# KiCad board sr99-stm32-hotswap.kicad_pcb (continued)
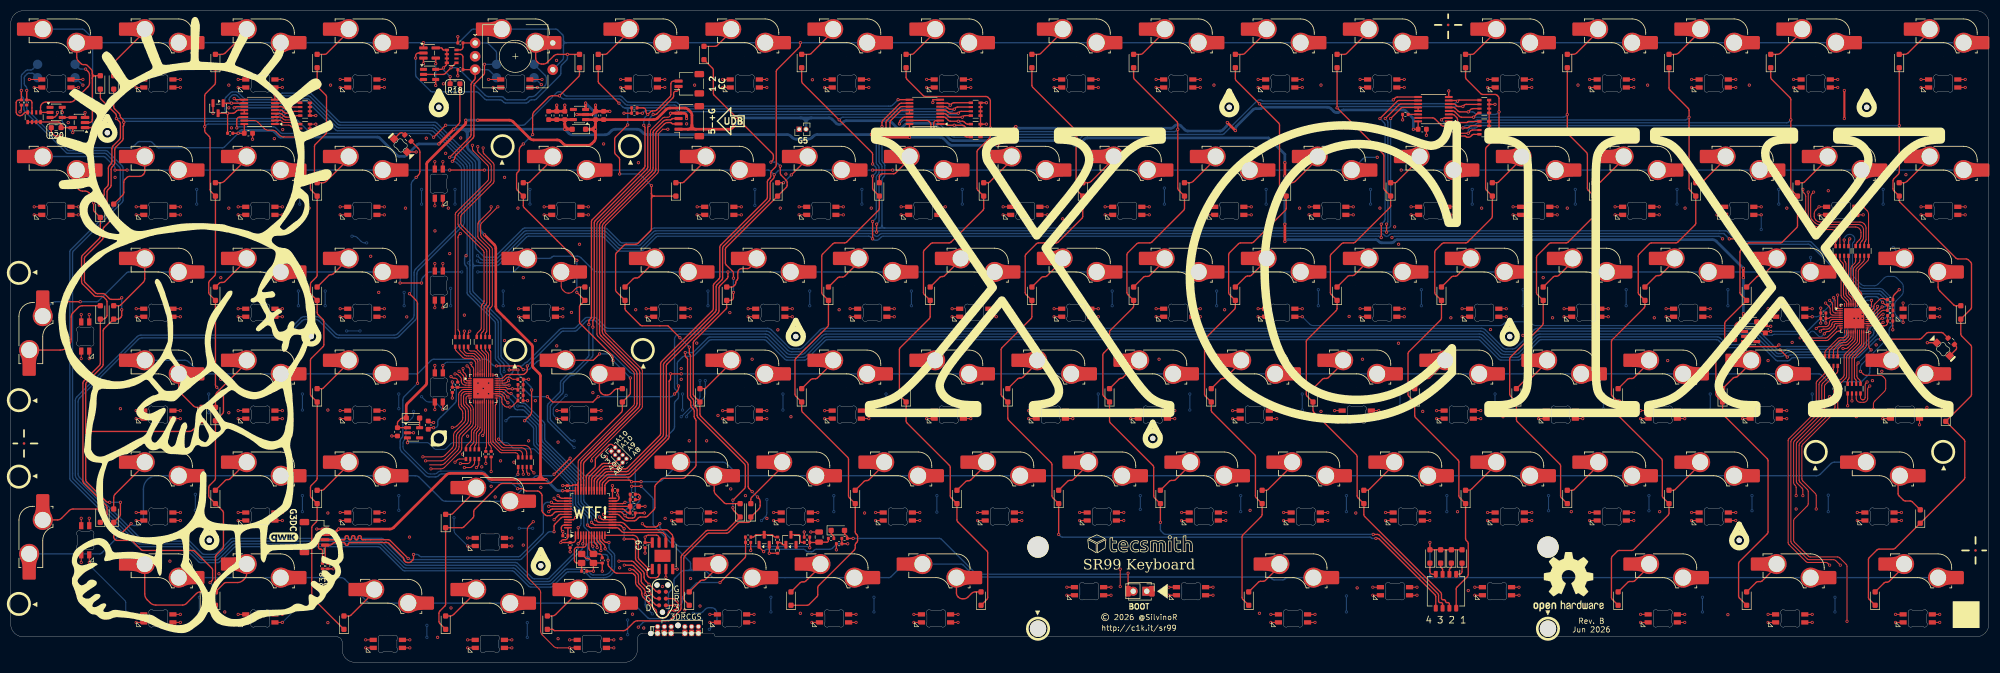
[diagram p0: board, top side]
## Placement (name value [footprint] x y rotation side) (continued)
W92  Space  [RGB-3528]  239.51 8.21 0 top
W93  Spc >  [RGB-3528]  220.46 13.29 0 top
W94  Spc >>  [RGB-3528]  201.41 13.29 0 top
W95  Menu  [RGB-3528]  172.83 8.21 0 top
W96  Fn1  [RGB-3528]  153.78 8.21 0 top
W97  Fn2  [RGB-3528]  134.73 8.21 0 top
W98  Left  [RGB-3528]  108.54 3.44 0 top
W99  Down  [RGB-3528]  89.49 3.44 0 top
W100  Right  [RGB-3528]  70.44 3.44 0 top
W101  N0  [RGB-3528]  46.62 8.21 0 top
W102  Dot  [RGB-3528]  27.57 8.21 0 top
W103  Return  [RGB-3528]  13.92 22.81 90 top
W104  Status1  [RGB-3528]  79.96 89.49 90 top
W105  Status2  [RGB-3528]  79.96 70.44 90 top
W106  Status3  [RGB-3528]  79.96 51.39 90 top
Y1  8Mhz SMD3225-4P  [Crystal_SMD_3225-4Pin_3.2x2.5mm]  107.74 19.41 0 top

## Library data of the parts
C1-C3 C14-C18 C33-C36 = -: Description: Unpolarized capacitor; ki_fp_filters: C_*
C4-C13 C19-C32 C37 C38 = -: Description: Unpolarized capacitor, small symbol; ki_fp_filters: C_*
D1 D2 D57-D60 D106 D107 = -: Description: Diode; Sim.Device: D; Sim.Pins: 2=A 1=K; ki_fp_filters: TO-???* *_Diode_* *SingleDiode* D_*
D3-D56 D61-D105 = -: Description: Diode, rotated by 45°; Sim.Device: D; Sim.Pins: 2=A 1=K; ki_fp_filters: D*Bridge* D*Rectifier*
D108 D109 = -: Description: Light emitting diode; ki_fp_filters: LED* LED_SMD:* LED_THT:*
ENC1 ENC2 = -: Datasheet: https://github.com/JZ-Skyloong/Skyloong_Components/blob/main/encoder_key_switch/encoder_key_switch_V2_02122025.pdf; Description: jikedingzhi.com Encoder Key Switch
FB1 = -: Description: Ferrite bead, small symbol; LCSC: C13572; ki_fp_filters: Inductor_* L_* *Ferrite*
J1 = -: Datasheet: https://unified-daughterboard.github.io; Description: Unified Daughterboard C Series
J3 = -: Datasheet: https://www.tag-connect.com/wp-content/uploads/bsk-pdf-manager/2019/12/TC2030-IDC-NL-Datasheet-Rev-B.pdf; Description: Tag-Connect’s 6-pins connector; ki_fp_filters: *TC2030*
J4 = -: Description: Basic 0.1" PTH; ki_fp_filters: Connector*:*_1x??_*
J6 = -: Description: Generic connector, single row, 01x06, script generated; ki_fp_filters: Connector*:*_1x??_*
NT1-NT3 = -: Description: Net tie, 2 pins; ki_fp_filters: Net*Tie*
Q1-Q3 = -: Datasheet: https://www.onsemi.com/pub/Collateral/NDS7002A-D.PDF; Description: 0.115A Id, 60V Vds, N-Channel MOSFET, SOT-23; ki_fp_filters: SOT?23*
R1-R6 R17 R19 R21 R24-R27 R30-R32 = -: Description: Resistor Array; ki_fp_filters: R_*
R7 R22 R23 R28 R29 R33-R36 R41 = -: Description: Resistor symbol; ki_fp_filters: R_*
R8-R10 R12-R16 R18 R20 R37-R40 R42 R43 = -: Description: Resistor, small symbol; ki_fp_filters: R_*
REF**#10 REF**#12 REF**#13 = -: KiLib_Generator: connector/pin_header_socket
SW71 = -: Description: 4x DIP Switch, Single Pole Single Throw (SPST) switch, small symbol; ki_fp_filters: SW?DIP?x4*
SW104 SW105 = -: Description: Digital single-pole single-throw analog switch
U1 = -: Datasheet: https://www.st.com/resource/en/datasheet/stm32g474cb.pdf; Description: STMicroelectronics Arm Cortex-M4 MCU, 128KB flash, 128KB RAM, 170 MHz, 1.71-3.6V, 38 GPIO, LQFP48; ki_fp_filters: LQFP*7x7mm*P0.5mm*
U2-U4 = -: Datasheet: MC74HC589ADTR2G; ki_fp_filters: TSSOP-16_ONS TSSOP-16_ONS-M TSSOP-16_ONS-L
U5 = -: Datasheet: http://www.fujitsu.com/downloads/MICRO/fme/fram/datasheet-MB85RS64.pdf; Description: FRAM memory with SPI interface, SOIC-8 SON-8; ki_fp_filters: SOIC*3.9x5.05mm*P1.27mm* *SON*2x3mm*P0.50mm*
U6 U11 U12 = -: Description: 600mA low dropout linear regulator, with enable pin, 3.8V-6V input voltage range, 3.3V fixed positive output, SOT-23-5; ki_fp_filters: SOT?23?5*
U7 U8 = -: Datasheet: https://www.ti.com/lit/ds/symlink/sn74lvc1g14.pdf; Description: Single Schmitt NOT Gate, Low-Voltage CMOS, SOT-23; ki_fp_filters: SOT*23*
U9 U10 = -: Description: 18×11 DOTS MATRIX LED DRIVER WITH 12MHZ SPI; ki_fp_filters: UQFN-40_ISI UQFN-40_ISI-M UQFN-40_ISI-L
UBOOT1 = -: Description: Push button switch, generic, two pins
W1-W106 = -: Datasheet: https://github.com/Tecsmith/ts-kicad-lib/blob/main/docs/RGB3528-4P-C183826.pdf.pdf; Description: EVERLIGHT 67-23-RSHGRBYC-M050505-ET1-CS Common Anode RGB LED
Y1 = -: Datasheet: https://jlcpcb.com/partdetail/2777872-X32258MOB4SI/C2682775; Description: Four pin crystal, GND on pins 2 and 4, small symbol; LCSC: C2682775; ki_fp_filters: Crystal*

## Footprints (pads in the part's own frame, mm; a bottom-side part is the same pattern mirrored in y, then rotated)
C_0402_1005Metric
  rrect 0.56x0.62 smd: 1(-0.48,0) 2(0.48,0)
C_0603_1608Metric
  rrect 0.9x0.95 smd: 1(-0.775,0) 2(0.775,0)
C_0805_2012Metric
  rrect 1x1.45 smd: 1(-0.95,0) 2(0.95,0)
Crystal_SMD_3225-4Pin_3.2x2.5mm
  rrect 1.4x1.2 smd: 1(-1.1,-0.85) 2(1.1,-0.85) 3(1.1,0.85) 4(-1.1,0.85)
D_SOD-323_HandSoldering
  rrect 1x1 smd: 1(-1.25,0) 2(1.25,0)
EC11-E
  round 2 hole 1: A(-7.5,2.5) B(-7.5,-2.5) C(-7.5,0) D(7,2.5) E(7,-2.5)
Fiducial_0.5mm_Mask1mm
  round 0.5 smd: (0,0)
JST_SH_SM02B-SRSS-TB_1x02-1MP_P1.00mm_Horizontal
  rrect 0.6x1.55 smd: 1(-0.5,2) 2(0.5,2)
  rrect 1.2x1.8 smd: MP(-1.8,-1.875) MP(1.8,-1.875)
JST_SH_SM04B-SRSS-TB_1x04-1MP_P1.00mm_Horizontal
  rrect 0.6x1.55 smd: 1(-1.5,2) 2(-0.5,2) 3(0.5,2) 4(1.5,2)
  rrect 1.2x1.8 smd: MP(-2.8,-1.875) MP(2.8,-1.875)
L_0603_1608Metric
  rrect 0.875x0.95 smd: 1(-0.788,0) 2(0.788,0)
LED_MHT151C
  rrect 1.151x1.25 smd: 1(1.726,0) 2(-1.726,0)
LQFP-48_7x7mm_P0.5mm
  rrect 1.475x0.3 smd: 1(-4.162,2.75) 2(-4.162,2.25) 3(-4.162,1.75) 4(-4.162,1.25) 5(-4.162,0.75) 6(-4.162,0.25) 7(-4.162,-0.25) 8(-4.162,-0.75) 9(-4.162,-1.25) 10(-4.162,-1.75) 11(-4.162,-2.25) 12(-4.162,-2.75) 25(4.162,-2.75) 26(4.162,-2.25) 27(4.162,-1.75) 28(4.162,-1.25) 29(4.162,-0.75) 30(4.162,-0.25) 31(4.162,0.25) 32(4.162,0.75) 33(4.162,1.25) 34(4.162,1.75) 35(4.162,2.25) 36(4.162,2.75)
  rrect 0.3x1.475 smd: 13(-2.75,-4.162) 14(-2.25,-4.162) 15(-1.75,-4.162) 16(-1.25,-4.162) 17(-0.75,-4.162) 18(-0.25,-4.162) 19(0.25,-4.162) 20(0.75,-4.162) 21(1.25,-4.162) 22(1.75,-4.162) 23(2.25,-4.162) 24(2.75,-4.162) 37(2.75,4.162) 38(2.25,4.162) 39(1.75,4.162) 40(1.25,4.162) 41(0.75,4.162) 42(0.25,4.162) 43(-0.25,4.162) 44(-0.75,4.162) 45(-1.25,4.162) 46(-1.75,4.162) 47(-2.25,4.162) 48(-2.75,4.162)
NetTie-2_SMD_Pad0.254mm
  round 0.254 smd: 1(-0.254,0) 2(0.254,0)
pcb-post-screw
  round 1 hole 2.2 unplated: (0,0)
PinHeader_1x02_P1.27mm_Vertical
  rect 1x1 hole 0.65: 1(0,0)
  round 1 hole 0.65: 2(0,-1.27)
PinHeader_1x02_P2.54mm_Vertical
  rect 1.7x1.7 hole 1: 1(0,0)
  round 1.7 hole 1: 2(0,-2.54)
PinHeader_1x07_P1.27mm_Vertical
  round 1 hole 0.65: 1(0,0) 2(0,-1.27) 3(0,-2.54) 4(0,-5.08) 5(0,-6.35) 6(0,-7.62)
PinHeader_2x04_P1.00mm_Vertical
  rect 0.85x0.85 hole 0.5: 1(0,0)
  round 0.85 hole 0.5: 2(1,0) 3(0,-1) 4(1,-1) 5(0,-2) 6(1,-2) 7(0,-3) 8(1,-3)
R_0402_1005Metric
  rrect 0.54x0.64 smd: 1(-0.51,0) 2(0.51,0)
R_0603_1608Metric
  rrect 0.8x0.95 smd: 1(-0.825,0) 2(0.825,0)
R_0603_1608Metric_Pad0.98x0.95mm_HandSolder
  rrect 0.975x0.95 smd: 1(-0.912,0) 2(0.912,0)
R_Array_Convex_4x0603
  rect 0.8x0.5 smd: 1(-0.9,1.2) 4(-0.9,-1.2) 5(0.9,-1.2) 8(0.9,1.2)
  rect 0.8x0.4 smd: 2(-0.9,0.4) 3(-0.9,-0.4) 6(0.9,-0.4) 7(0.9,0.4)
RGB-3528
  custom 1.35x0.82 smd: 1(-2.725,-0.75)
  rrect 1.35x0.82 smd: 2(-2.725,0.75) 3(2.725,0.75) 4(2.725,-0.75)
SC-74A-5_1.55x2.9mm_P0.95mm
  rrect 1.6x0.6 smd: 1(-1.15,0.95) 2(-1.15,0) 3(-1.15,-0.95) 4(1.15,-0.95) 5(1.15,0.95)
SOIC-8
  rrect 0.92x1.21 smd: (-0.57,0.75) (-0.57,-0.75) (0.57,0.75) (0.57,-0.75)
  rrect 1.95x0.6 smd: 1(-2.475,1.905) 2(-2.475,0.635) 3(-2.475,-0.635) 4(-2.475,-1.905) 5(2.475,-1.905) 6(2.475,-0.635) 7(2.475,0.635) 8(2.475,1.905)
  rect 2.29x3 smd: 9(0,0)
SOT-23
  rrect 1.475x0.6 smd: 1(-0.938,0.95) 2(-0.938,-0.95) 3(0.938,0)
SOT-23-5
  rrect 1.325x0.6 smd: 1(-1.137,0.95) 2(-1.137,0) 3(-1.137,-0.95) 4(1.137,-0.95) 5(1.137,0.95)
STAB_2U
  round 0.01 hole 3.05 unplated: (-11.9,7) (11.9,7)
  round 0.01 hole 4 unplated: (-11.9,-8.24) (11.9,-8.24)
STAB_6U
  round 3.048 hole 3.048 unplated: (-47.625,6.985) (47.625,6.985)
  round 3.988 hole 3.988 unplated: (-47.625,-8.255) (47.625,-8.255)
SW_DIP_SPSTx04
  rrect 0.76x1.27 smd: 1(-1.905,-3.175) 2(-0.635,-3.175) 3(0.635,-3.175) 4(1.905,-3.175) 5(1.905,3.175) 6(0.635,3.175) 7(-0.635,3.175) 8(-1.905,3.175)
SW_MX_HotSwap
  round 0.01 hole 1.7 unplated: (-5.08,0) (5.08,0)
  round 0.01 hole 4 unplated: (0,0)
  custom 4.825x3.386 smd: 1(-6.09,5.08) 2(7.36,2.54)
  round 3.762 hole 3: 1(-2.54,5.08) 2(3.81,2.54)
SW_Skyloong_Enc
  round 1.75 smd far side: A(-3.5,-4) B(-3.5,-1.5) C(3.5,-4) E(3.5,-1.5)
SW_SPST_TS-1088-xR020
  rrect 1.05x2 smd: 1(-2.225,0) 2(2.225,0)
Tag-Connect_EC-06-IDC_P1.27mm_Vertical
  round 1 hole 1 unplated: (-5.08,0)
  round 1.06 hole 1.06 unplated: (0,-1.5)
  rrect 0.95x1.2 hole 0.81: 1(-3.81,0) 2(-2.54,0) 3(-1.27,0) 4(1.27,0) 5(2.54,0) 6(3.81,0)
Tag-Connect_TC2030-IDC-NL_2x03_P1.27mm_Vertical
  round 0.991 hole 0.991 unplated: (-2.54,0) (2.54,1.016) (2.54,-1.016)
  round 0.787 smd: 1(-1.27,-0.635) 2(-1.27,0.635) 3(0,-0.635) 4(0,0.635) 5(1.27,-0.635) 6(1.27,0.635)
TestPoint_Pad_D1.0mm
  round 1 smd: 1(0,0)
TSSOP-16_4.4x5mm_P0.65mm
  rrect 1.475x0.4 smd: 1(-2.862,2.275) 2(-2.862,1.625) 3(-2.862,0.975) 4(-2.862,0.325) 5(-2.862,-0.325) 6(-2.862,-0.975) 7(-2.862,-1.625) 8(-2.862,-2.275) 9(2.862,-2.275) 10(2.862,-1.625) 11(2.862,-0.975) 12(2.862,-0.325) 13(2.862,0.325) 14(2.862,0.975) 15(2.862,1.625) 16(2.862,2.275)
UQFN-40-1EP_5x5mm_P0.4mm_EP3.8x3.8mm
  rrect 1.02x1.02 smd: (-1.27,1.27) (-1.27,0) (-1.27,-1.27) (0,1.27) (0,0) (0,-1.27) (1.27,1.27) (1.27,0) (1.27,-1.27)
  rrect 0.75x0.2 smd: 1(-2.475,1.8) 2(-2.475,1.4) 3(-2.475,1) 4(-2.475,0.6) 5(-2.475,0.2) 6(-2.475,-0.2) 7(-2.475,-0.6) 8(-2.475,-1) 9(-2.475,-1.4) 10(-2.475,-1.8) 21(2.475,-1.8) 22(2.475,-1.4) 23(2.475,-1) 24(2.475,-0.6) 25(2.475,-0.2) 26(2.475,0.2) 27(2.475,0.6) 28(2.475,1) 29(2.475,1.4) 30(2.475,1.8)
  rrect 0.2x0.75 smd: 11(-1.8,-2.475) 12(-1.4,-2.475) 13(-1,-2.475) 14(-0.6,-2.475) 15(-0.2,-2.475) 16(0.2,-2.475) 17(0.6,-2.475) 18(1,-2.475) 19(1.4,-2.475) 20(1.8,-2.475) 31(1.8,2.475) 32(1.4,2.475) 33(1,2.475) 34(0.6,2.475) 35(0.2,2.475) 36(-0.2,2.475) 37(-0.6,2.475) 38(-1,2.475) 39(-1.4,2.475) 40(-1.8,2.475)
  rect 3.8x3.8 smd: 41(0,0)

## Nets
+3V3: C1.2 C2.2 C3.2 C5.2 C6.2 C7.2 C9.2 C16.2 C17.2 C18.2 D2.2 FB1.2 J2.2 J3.1 J4.1 J6.1 NT1.1 R7.1 R18.2 R20.2 R37.2 R38.2 REF**#12.1 REF**#13.3 REF**#19.2 U1.24 U1.36 U1.48 U2.16 U3.16 U4.16 U5.3 U5.7 U5.8 U6.5 UBOOT1.1
+5V: C14.2 C15.2 C33.2 C35.2 D2.1 D106.1 D107.1 J1.1 REF**#10.2 U6.1 U6.3 U11.1 U12.1
/ARGB Driver/VCC-LED1: C25.2 C26.2 C27.2 C28.2 C34.2 D106.2 U9.5 U9.22 U11.5
/ARGB Driver/VCC-LED2: C29.2 C30.2 C31.2 C32.2 C36.2 D107.2 U10.5 U10.22 U12.5
GND: C1.1 C2.1 C3.1 C4.1 C5.1 C6.1 C7.1 C8.1 C9.1 C13.1 C14.1 C15.1 C16.1 C17.1 C18.1 C19.1 C20.1 C21.1 C22.1 C23.1 C24.1 C25.1 C26.1 C27.1 C28.1 C29.1 C30.1 C31.1 C32.1 C33.1 C34.1 C35.1 C36.1 C37.1 C38.1 D108.1 D109.1 ENC1.C ENC2.C J1.4 J1.MP J2.1 J2.MP J3.5 J5.MP J6.5 NT2.1 Q1.2 Q2.2 Q3.2 R1.1 R1.2 R1.3 R1.4 R2.1 R2.2 R2.3 R2.4 R3.1 R3.2 R3.3 R3.4 R4.1 R4.2 R4.3 R4.4 R5.1 R5.2 R5.3 R5.4 R6.1 R6.2 R6.3 R6.4 R9.1 R14.1 R15.1 R33.1 R34.1 R35.1 R36.1 R41.2 R42.2 R43.2 REF**#10.1 REF**#12.5 REF**#13.1 REF**#15.C SW104.3 SW105.3 U1.23 U1.35 U1.47 U2.8 U3.8 U4.8 U5.4 U5.9 U6.2 U7.3 U8.3 U9.16 U9.23 U9.41 U10.16 U10.23 U10.41 U11.2 U12.2 Y1.2 Y1.4
GNDA: C10.1 C11.1 C12.1 NT2.2 U1.19
VBAT: C8.2 NT1.2 U1.1
VDDA: C10.2 C11.2 FB1.1 NT3.1 U1.21
/Matrix/ENC1_3V3: R17.5 R17.6 R17.7 R17.8 R18.1 SW104.5 U7.5
/Matrix/ENC2_3V3: R19.5 R19.6 R19.7 R19.8 R20.1 SW105.5 U8.5
/MCU and power/BOOT_SW: D1.2 J4.2 R13.1 UBOOT1.2
/MCU and power/U_2_3: U2.9 U3.14
/MCU and power/U_3_4: U3.9 U4.14
/MCU and power/X30: U1.30
/MCU and power/X31: U1.31
/MCU and power/X32: U1.32
/MCU and power/~{MATRIX_CS}: Q1.3 R7.2 U2.12 U2.13 U3.12 U3.13 U4.12 U4.13
BLU1: R25.7 W1.3 W2.3 W3.3 W4.3 W5.3 W6.3 W7.3 W8.3 W9.3
BLU2: R25.5 W19.3 W20.3 W21.3 W22.3 W23.3 W24.3 W25.3 W26.3 W27.3
BLU3: R24.7 W37.3 W38.3 W39.3 W40.3 W41.3 W42.3 W43.3 W44.3 W45.3
BLU4: R24.5 W54.3 W55.3 W56.3 W57.3 W58.3 W59.3 W60.3 W61.3 W62.3
BLU5: R21.7 W71.3 W72.3 W73.3 W74.3 W75.3 W76.3 W77.3 W78.3
BLU6: R21.5 W87.3 W88.3 W89.3 W90.3 W91.3 W92.3 W93.3 W94.3
BLU7: R31.7 W10.3 W11.3 W12.3 W13.3 W14.3 W15.3 W16.3 W17.3 W18.3
BLU8: R31.5 W28.3 W29.3 W30.3 W31.3 W32.3 W33.3 W34.3 W35.3 W36.3 W104.3
BLU9: R30.7 W46.3 W47.3 W48.3 W49.3 W50.3 W51.3 W52.3 W53.3 W105.3
BLU10: R30.5 W63.3 W64.3 W65.3 W66.3 W67.3 W68.3 W69.3 W70.3 W106.3
BLU11: R27.7 W79.3 W80.3 W81.3 W82.3 W83.3 W84.3 W85.3 W86.3
BLU12: R27.5 W95.3 W96.3 W97.3 W98.3 W99.3 W100.3 W101.3 W102.3 W103.3
BOOT0: C4.2 R8.2 R9.2 R10.2 U1.45
COL0: D3.1 D21.1 D39.1 D61.1 D77.1 D94.1 R4.7 U2.1
COL1: D4.1 D22.1 D40.1 D62.1 D95.1 R4.6 U2.2
COL2: D5.1 D23.1 D41.1 D63.1 D78.1 D96.1 R4.5 U2.3
COL3: D6.1 D24.1 D42.1 D64.1 D79.1 R1.8 U2.4
COL4: D7.1 D25.1 D43.1 D65.1 D80.1 R1.7 SW71.8 U2.5
COL5: D8.1 D26.1 D44.1 D66.1 D81.1 R1.6 SW71.7 U2.6
COL6: D9.1 D27.1 D45.1 D67.1 D82.1 D97.1 R1.5 U2.7
COL7: D10.1 D28.1 D46.1 D68.1 D83.1 R5.6 SW71.6 U3.1
COL8: D11.1 D29.1 D47.1 D69.1 D84.1 R5.7 SW71.5 U3.2
COL9: D12.1 D30.1 D48.1 D70.1 D85.1 D98.1 R5.5 U3.3
COL10: D13.1 D31.1 D49.1 D71.1 D86.1 D99.1 R2.8 U3.4
COL11: D14.1 D32.1 D50.1 D72.1 D87.1 D100.1 R2.7 U3.5
COL12: D15.1 D33.1 D51.1 D88.1 D101.1 R2.6 U3.6
COL13: D16.1 D34.1 D52.1 D73.1 D89.1 D102.1 R2.5 U3.7
COL14: D17.1 D35.1 D53.1 D74.1 D90.1 D103.1 R3.8 U4.4
COL15: D18.1 D36.1 D54.1 D75.1 D91.1 D104.1 R3.7 U4.5
COL16: D19.1 D37.1 D55.1 D76.1 D92.1 D105.1 R3.6 U4.6
COL17: D20.1 D38.1 D56.1 D93.1 R3.5 U4.7
D+: J1.3 U1.34
D-: J1.2 U1.33
EEPROM_CS: U1.12 U5.1
ENC_A: C21.2 ENC1.A R17.3 REF**#15.B U1.3
ENC_B: C22.2 ENC1.B R17.4 REF**#15.A U1.4
ENC_C: C23.2 ENC2.A R19.3 U1.10
ENC_D: C24.2 ENC2.B R19.4 U1.11
GRN1: R25.8 W1.2 W2.2 W3.2 W4.2 W5.2 W6.2 W7.2 W8.2 W9.2
GRN2: R25.6 W19.2 W20.2 W21.2 W22.2 W23.2 W24.2 W25.2 W26.2 W27.2
GRN3: R24.8 W37.2 W38.2 W39.2 W40.2 W41.2 W42.2 W43.2 W44.2 W45.2
GRN4: R24.6 W54.2 W55.2 W56.2 W57.2 W58.2 W59.2 W60.2 W61.2 W62.2
GRN5: R21.8 W71.2 W72.2 W73.2 W74.2 W75.2 W76.2 W77.2 W78.2
GRN6: R21.6 W87.2 W88.2 W89.2 W90.2 W91.2 W92.2 W93.2 W94.2
GRN7: R31.8 W10.2 W11.2 W12.2 W13.2 W14.2 W15.2 W16.2 W17.2 W18.2
GRN8: R31.6 W28.2 W29.2 W30.2 W31.2 W32.2 W33.2 W34.2 W35.2 W36.2 W104.2
GRN9: R30.8 W46.2 W47.2 W48.2 W49.2 W50.2 W51.2 W52.2 W53.2 W105.2
GRN10: R30.6 W63.2 W64.2 W65.2 W66.2 W67.2 W68.2 W69.2 W70.2 W106.2
GRN11: R27.8 W79.2 W80.2 W81.2 W82.2 W83.2 W84.2 W85.2 W86.2
GRN12: R27.6 W95.2 W96.2 W97.2 W98.2 W99.2 W100.2 W101.2 W102.2 W103.2
LED1: U9.1 W1.4 W19.4 W37.4 W54.4 W71.4 W87.4
LED1_CS: U1.17 U9.25
LED2: U9.2 W2.4 W20.4 W38.4 W55.4 W88.4
LED2_CS: U1.16 U10.25
LED3: U9.3 W3.4 W21.4 W39.4 W56.4 W72.4 W89.4
LED4: U9.4 W4.4 W22.4 W40.4 W57.4 W73.4
LED5: U9.6 W5.4 W23.4 W41.4 W58.4 W74.4 W90.4
LED6: U9.7 W6.4 W24.4 W42.4 W59.4 W75.4 W91.4
LED7: U9.8 W7.4 W25.4 W43.4 W60.4 W76.4 W92.4
LED8: U9.9 W8.4 W26.4 W44.4 W61.4 W77.4 W93.4
LED9: U9.10 W9.4 W27.4 W45.4 W62.4 W78.4 W94.4
LED10: U10.40 W104.4 W105.4 W106.4
LED11: U10.1 W10.4 W28.4 W46.4 W63.4 W79.4 W95.4
LED12: U10.2 W11.4 W29.4 W47.4 W64.4 W80.4 W96.4
LED13: U10.3 W12.4 W30.4 W48.4 W65.4 W81.4 W97.4
LED14: U10.4 W13.4 W31.4 W49.4 W82.4 W98.4
LED15: U10.6 W14.4 W32.4 W50.4 W66.4 W83.4 W99.4
LED16: U10.7 W15.4 W33.4 W67.4 W84.4 W100.4
LED17: U10.8 W16.4 W34.4 W51.4 W68.4 W85.4 W101.4
LED18: U10.9 W17.4 W35.4 W52.4 W69.4 W86.4 W102.4
LED19: U10.10 W18.4 W36.4 W53.4 W70.4 W103.4
LED_CL: R39.2 U1.18
LED_NL: R40.2 U1.42
LED_PWR_EN: C37.2 C38.2 R33.2 R35.2 U1.2 U9.26 U10.26 U11.3 U12.3
MATRIX_CS: Q1.1 U1.9 U2.10 U3.10 U4.10
MISO: U1.14 U4.9 U5.2 U9.24 U10.24
MOSI: U1.15 U5.5 U9.28 U10.28
OSC-IN: C19.2 U1.5 Y1.1
OSC-OUT: C20.2 U1.6 Y1.3
RED1: R26.8 W1.1 W2.1 W3.1 W4.1 W5.1 W6.1 W7.1 W8.1 W9.1
RED2: R26.7 W19.1 W20.1 W21.1 W22.1 W23.1 W24.1 W25.1 W26.1 W27.1
RED3: R26.6 W37.1 W38.1 W39.1 W40.1 W41.1 W42.1 W43.1 W44.1 W45.1
RED4: R26.5 W54.1 W55.1 W56.1 W57.1 W58.1 W59.1 W60.1 W61.1 W62.1
RED5: R23.2 W71.1 W72.1 W73.1 W74.1 W75.1 W76.1 W77.1 W78.1
RED6: R22.2 W87.1 W88.1 W89.1 W90.1 W91.1 W92.1 W93.1 W94.1
RED7: R32.8 W10.1 W11.1 W12.1 W13.1 W14.1 W15.1 W16.1 W17.1 W18.1
RED8: R32.7 W28.1 W29.1 W30.1 W31.1 W32.1 W33.1 W34.1 W35.1 W36.1 W104.1
RED9: R32.6 W46.1 W47.1 W48.1 W49.1 W50.1 W51.1 W52.1 W53.1 W105.1
RED10: R32.5 W63.1 W64.1 W65.1 W66.1 W67.1 W68.1 W69.1 W70.1 W106.1
RED11: R29.2 W79.1 W80.1 W81.1 W82.1 W83.1 W84.1 W85.1 W86.1
RED12: R28.2 W95.1 W96.1 W97.1 W98.1 W99.1 W100.1 W101.1 W102.1 W103.1
ROW0: REF**#15.E SW1.2 SW2.2 SW3.2 SW4.2 SW5.2 SW6.2 SW7.2 SW8.2 SW9.2 SW10.2 SW11.2 SW12.2 SW13.2 SW14.1 SW15.2 SW16.2 SW17.2 SW18.1 SW104.1 SW105.1 U1.29
ROW1: SW19.2 SW20.2 SW21.2 SW22.2 SW23.2 SW24.2 SW25.2 SW26.2 SW27.2 SW28.2 SW29.2 SW30.2 SW31.2 SW32.2 SW33.2 SW34.2 SW35.2 SW36.1 U1.28
ROW2: SW37.1 SW38.2 SW39.2 SW40.2 SW41.2 SW42.2 SW43.2 SW44.2 SW45.2 SW46.2 SW47.2 SW48.2 SW49.2 SW50.1 SW51.2 SW52.2 SW53.2 SW54.2 U1.27
ROW3: SW55.1 SW56.2 SW57.2 SW58.2 SW59.2 SW60.2 SW61.2 SW62.2 SW63.2 SW64.2 SW65.2 SW66.2 SW67.1 SW68.2 SW69.2 SW70.1 U1.26
ROW4: SW72.1 SW73.2 SW74.2 SW75.2 SW76.2 SW77.2 SW78.2 SW79.2 SW80.2 SW81.2 SW82.2 SW83.1 SW84.2 SW85.2 SW86.2 SW87.2 SW88.1 U1.25
ROW5: D57.2 D58.2 D59.2 D60.2 SW89.2 SW90.2 SW91.2 SW92.2 SW93.1 SW94.2 SW95.2 SW96.2 SW97.2 SW98.2 SW99.2 SW100.2 U1.22
SCK: U1.13 U2.11 U3.11 U4.11 U5.6 U9.27 U10.27
SCL: J2.4 R37.1 U1.39
SDA: J2.3 R38.1 U1.44
SWCLK: J3.4 J6.4 REF**#12.4 U1.38
SWDIO: J3.2 J6.2 REF**#12.2 U1.37
SWSCL: J3.6 J6.6 REF**#12.6 U1.40
SYNC: U9.30 U10.30
SYS_WKUP1: TP1.1 U1.8
UCPD1_CC1: J5.1 R43.1 U1.43
UCPD1_CC2: J5.2 R42.1 U1.41
VREF+: C12.2 NT3.2 U1.20
X30: REF**#13.7 REF**#13.8
X31: REF**#13.5 REF**#13.6
X32: REF**#13.2 REF**#13.4
XF13: D16.2 REF**#15.D SW14.2 SW104.2
XF17: D20.2 SW18.2 SW105.2
~{RST}: C13.2 J3.3 J6.3 R16.2 REF**#12.3 U1.7
Net-(D1-A): REF**#19.1
Net-(D1-K): D1.1 R8.1
Net-(D3-A): D3.2 SW1.1
Net-(D4-A): D4.2 SW2.1
Net-(D5-A): D5.2 SW3.1
Net-(D6-A): D6.2 SW4.1
Net-(D7-A): D7.2 SW5.1
Net-(D8-A): D8.2 SW6.1
Net-(D9-A): D9.2 SW7.1
Net-(D10-A): D10.2 SW8.1
Net-(D11-A): D11.2 SW9.1
Net-(D12-A): D12.2 SW10.1
Net-(D13-A): D13.2 SW11.1
Net-(D14-A): D14.2 SW12.1
Net-(D15-A): D15.2 SW13.1
Net-(D17-A): D17.2 SW15.1
Net-(D18-A): D18.2 SW16.1
Net-(D19-A): D19.2 SW17.1
Net-(D21-A): D21.2 SW19.1
Net-(D22-A): D22.2 SW20.1
Net-(D23-A): D23.2 SW21.1
Net-(D24-A): D24.2 SW22.1
Net-(D25-A): D25.2 SW23.1
Net-(D26-A): D26.2 SW24.1
Net-(D27-A): D27.2 SW25.1
Net-(D28-A): D28.2 SW26.1
Net-(D29-A): D29.2 SW27.1
Net-(D30-A): D30.2 SW28.1
Net-(D31-A): D31.2 SW29.1
Net-(D32-A): D32.2 SW30.1
Net-(D33-A): D33.2 SW31.1
Net-(D34-A): D34.2 SW32.1
Net-(D35-A): D35.2 SW33.1
Net-(D36-A): D36.2 SW34.1
Net-(D37-A): D37.2 SW35.1
Net-(D38-A): D38.2 SW36.2
Net-(D39-A): D39.2 SW37.2
Net-(D40-A): D40.2 SW38.1
Net-(D41-A): D41.2 SW39.1
Net-(D42-A): D42.2 SW40.1
Net-(D43-A): D43.2 SW41.1
Net-(D44-A): D44.2 SW42.1
Net-(D45-A): D45.2 SW43.1
Net-(D46-A): D46.2 SW44.1
Net-(D47-A): D47.2 SW45.1
Net-(D48-A): D48.2 SW46.1
Net-(D49-A): D49.2 SW47.1
Net-(D50-A): D50.2 SW48.1
Net-(D51-A): D51.2 SW49.1
Net-(D52-A): D52.2 SW50.2
Net-(D53-A): D53.2 SW51.1
Net-(D54-A): D54.2 SW52.1
Net-(D55-A): D55.2 SW53.1
Net-(D56-A): D56.2 SW54.1
Net-(D57-K): D57.1 SW71.4
Net-(D58-K): D58.1 SW71.3
Net-(D59-K): D59.1 SW71.2
Net-(D60-K): D60.1 SW71.1
Net-(D61-A): D61.2 SW55.2
Net-(D62-A): D62.2 SW56.1
Net-(D63-A): D63.2 SW57.1
Net-(D64-A): D64.2 SW58.1
Net-(D65-A): D65.2 SW59.1
Net-(D66-A): D66.2 SW60.1
Net-(D67-A): D67.2 SW61.1
Net-(D68-A): D68.2 SW62.1
Net-(D69-A): D69.2 SW63.1
Net-(D70-A): D70.2 SW64.1
Net-(D71-A): D71.2 SW65.1
Net-(D72-A): D72.2 SW66.1
Net-(D73-A): D73.2 SW67.2
Net-(D74-A): D74.2 SW68.1
Net-(D75-A): D75.2 SW69.1
Net-(D76-A): D76.2 SW70.2
Net-(D77-A): D77.2 SW72.2
Net-(D78-A): D78.2 SW73.1
Net-(D79-A): D79.2 SW74.1
Net-(D80-A): D80.2 SW75.1
Net-(D81-A): D81.2 SW76.1
Net-(D82-A): D82.2 SW77.1
Net-(D83-A): D83.2 SW78.1
Net-(D84-A): D84.2 SW79.1
Net-(D85-A): D85.2 SW80.1
Net-(D86-A): D86.2 SW81.1
Net-(D87-A): D87.2 SW82.1
Net-(D88-A): D88.2 SW83.2
Net-(D89-A): D89.2 SW84.1
Net-(D90-A): D90.2 SW85.1
Net-(D91-A): D91.2 SW86.1
Net-(D92-A): D92.2 SW87.1
Net-(D93-A): D93.2 SW88.2
Net-(D94-A): D94.2 SW89.1
Net-(D95-A): D95.2 SW90.1
Net-(D96-A): D96.2 SW91.1
Net-(D97-A): D97.2 SW92.1
Net-(D98-A): D98.2 SW93.2
Net-(D99-A): D99.2 SW94.1
Net-(D100-A): D100.2 SW95.1
Net-(D101-A): D101.2 SW96.1
Net-(D102-A): D102.2 SW97.1
Net-(D103-A): D103.2 SW98.1
Net-(D104-A): D104.2 SW99.1
Net-(D105-A): D105.2 SW100.1
Net-(D108-A): D108.2 R39.1
Net-(D109-A): D109.2 R40.1
Net-(ENC1-PadE): ENC1.E R17.1 U7.2
Net-(ENC2-PadE): ENC2.E R19.1 U8.2
Net-(Q2-D): Q2.3 R10.1
Net-(Q2-G): Q2.1 R12.1 R14.2
Net-(Q3-D): Q3.3 R12.2 R16.1
Net-(Q3-G): Q3.1 R13.2 R15.2
Net-(SW104-E): SW104.4 U7.4
Net-(SW105-E): SW105.4 U8.4
Net-(U2-A): R4.8 U2.15
Net-(U2-SA): R41.1 U2.14
Net-(U3-A): R5.8 U3.15
Net-(U4-A): R6.8 U4.15
Net-(U4-B): R6.7 U4.1
Net-(U4-C): R6.6 U4.2
Net-(U4-D): R6.5 U4.3
Net-(U9-CS1): R26.1 U9.39
Net-(U9-CS2): R26.2 U9.38
Net-(U9-CS3): R26.3 U9.37
Net-(U9-CS4): R26.4 U9.36
Net-(U9-CS5): R25.1 U9.35
Net-(U9-CS6): R25.2 U9.34
Net-(U9-CS7): R25.3 U9.33
Net-(U9-CS8): R25.4 U9.32
Net-(U9-CS9): R24.1 U9.31
Net-(U9-CS10): R24.2 U9.21
Net-(U9-CS11): R24.3 U9.20
Net-(U9-CS12): R24.4 U9.19
Net-(U9-CS13): R23.1 U9.18
Net-(U9-CS14): R22.1 U9.17
Net-(U9-CS15): R21.1 U9.15
Net-(U9-CS16): R21.2 U9.14
Net-(U9-CS17): R21.3 U9.13
Net-(U9-CS18): R21.4 U9.12
Net-(U9-ISET): R34.2 U9.29
Net-(U10-CS1): R32.1 U10.39
Net-(U10-CS2): R32.2 U10.38
Net-(U10-CS3): R32.3 U10.37
Net-(U10-CS4): R32.4 U10.36
Net-(U10-CS5): R31.1 U10.35
Net-(U10-CS6): R31.2 U10.34
Net-(U10-CS7): R31.3 U10.33
Net-(U10-CS8): R31.4 U10.32
Net-(U10-CS9): R30.1 U10.31
Net-(U10-CS10): R30.2 U10.21
Net-(U10-CS11): R30.3 U10.20
Net-(U10-CS12): R30.4 U10.19
Net-(U10-CS13): R29.1 U10.18
Net-(U10-CS14): R28.1 U10.17
Net-(U10-CS15): R27.1 U10.15
Net-(U10-CS16): R27.2 U10.14
Net-(U10-CS17): R27.3 U10.13
Net-(U10-CS18): R27.4 U10.12
Net-(U10-ISET): R36.2 U10.29

Pads without a net: R17 2; R19 2; U1 46; U6 4; U7 1; U8 1; U9 11 40; U10 11; U11 4; U12 4

## Via types
v1: diameter 0.6, hole 0.3, Top to Bottom, 1211 vias

## Routing (per net, layer and track width the routed paths; a pad name or vN(x,y) marks a point on that pad's centre or on a via; arc(x,y) is an arc through that point)
+3V3: length 649.6
  Top w0.254: U1.24 C5.2 112.4,33.03 v1(112.39,33.04) ; FB1.2 v1(118.49,29.16) ; U1.36 C6.2 103.11,32.07 103.11,32.07 ; U1.48 C7.2 104.08,23.43 arc(103.93,23.07) 103.57,22.92 103.25,22.92 arc(102.89,22.77) 102.74,22.41 v1(102.74,22.39) NT1.1 ; v1(261.99,99.66) C3.2 U2.16 ; R38.2 R37.2 v1(60.24,17.48) ; R18.2 83.9,101.25 arc(83.82,100.86) 83.6,100.53 v1(82.74,99.66) ; U5.7 121.1,23.26 arc(120.95,23.62) 120.59,23.77 119.07,23.77 arc(118.87,23.73) 118.71,23.62 v1(118.49,23.41) 118.49,23.4 C9.2 U5.8 ; R20.2 7.57,99.43 arc(7.87,98.71) 8.59,98.41 v1(9.49,98.41) ; v1(123.99,10.66) 123.97,10.64 J3.1 ; U5.3 v1(122.37,15.88) ; R7.1 v1(42.49,98.91) C1.2 U4.16 ; v1(167.88,98.16) C2.2 U3.16
  Top w0.508: v1(167.88,98.16) 161.45,98.16 arc(161.25,98.2) 161.09,98.31 v1(160.74,98.66) ; C18.2 C17.2 C16.2 ; C16.2 103.49,100.68 arc(103.79,99.96) 104.5,99.66 ; C16.2 U6.5 ; v1(227.24,100.91) v1(228.74,99.41) ; 104.5,99.66 v1(103.49,99.66) 103.49,100.66 ; 104.5,99.66 D2.2 ; v1(82.74,99.66) v1(79.99,96.91) ; 97.93,34.16 v1(99.99,34.16) 99.96,34.16 arc(99.24,34.46) 98.94,35.18 ; 97.93,34.16 89.91,34.16 arc(89.52,34.24) 89.19,34.46 88.61,35.04 arc(88.29,35.26) 87.9,35.33 82.08,35.33 arc(81.69,35.26) 81.36,35.04 71.54,25.21 arc(71.21,24.99) 70.82,24.92 v1(61.24,24.92) 60.53,24.21 arc(60.2,23.99) 59.81,23.91 J2.2 ; 97.93,34.16 arc(98.65,34.46) 98.94,35.18 ; v1(88.49,79.91) 90.3,78.1 arc(90.52,77.77) 90.6,77.38 90.6,66.51 arc(90.68,66.13) 90.9,65.8 97.32,59.38 arc(97.43,59.21) 97.47,59.02 97.47,55.44 arc(97.51,55.25) 97.62,55.08 98.79,53.91 arc(98.9,53.74) 98.94,53.55 98.94,35.18 ; v1(184.24,96.66) v1(187.74,100.16)
  In1.Cu w0.508: 61.24,24.91 v1(61.24,24.92) 60.83,24.51 arc(60.39,23.85) 60.24,23.07 v1(60.24,17.48) ; REF**#13.3 112.54,38.42 arc(112.43,38.26) 112.39,38.06 v1(112.39,33.04) ; v1(123.99,10.66) 123.45,11.2 arc(123.21,11.36) 122.92,11.42 122.37,11.42 arc(122.08,11.36) 121.83,11.2 121.41,10.78 arc(121.17,10.61) 120.87,10.55 120.24,10.55 arc(119.95,10.5) 119.7,10.33 119.01,9.64 arc(118.85,9.39) 118.79,9.1 118.79,7.79 arc(118.85,7.49) 119.01,7.25 119.37,6.89 arc(119.61,6.73) 119.91,6.67 REF**#12.1 J6.1
  In2.Cu w0.508: 119.21,24.12 119.59,24.5 arc(119.7,24.67) 119.74,24.86 119.74,28.2 arc(119.7,28.4) 119.59,28.56 119.14,29.01 arc(118.97,29.12) 118.78,29.16 v1(118.49,29.16) 117.45,29.16 arc(117.25,29.2) 117.09,29.31 113.51,32.89 arc(113.34,33) 113.15,33.04 v1(112.39,33.04) 108.83,33.04 arc(108.63,33) 108.47,32.89 107.8,32.22 arc(107.63,32.11) 107.44,32.07 103.91,32.07 ; 119.21,24.12 119.2,24.12 117.76,22.69 ; 119.21,24.12 arc(118.91,23.4) 119.21,22.68 ; 117.76,22.69 115.21,20.14 arc(114.96,19.97) 114.67,19.91 107.3,19.91 arc(107.01,19.97) 106.76,20.14 104.66,22.24 arc(104.49,22.35) 104.3,22.39 v1(102.74,22.39) 102.39,22.74 arc(102.28,22.91) 102.24,23.1 102.24,25.95 arc(102.28,26.15) 102.39,26.31 102.96,26.88 arc(103.07,27.05) 103.11,27.24 103.11,31.27 ; 117.76,22.69 arc(118.48,22.99) 119.2,22.69 122.07,19.82 arc(122.3,19.49) 122.37,19.1 122.37,16.38 ; 122.88,15.88 122.99,15.88 arc(123.18,15.84) 123.35,15.73 123.84,15.23 arc(123.95,15.07) 123.99,14.87 123.99,13.18 ; 122.88,15.88 v1(122.37,15.88) 122.37,16.38 ; 122.88,15.88 arc(122.52,16.03) 122.37,16.38 ; J4.1 212.2,11.69 arc(211.61,10.26) 210.17,9.66 190.66,9.66 arc(190.27,9.59) 189.94,9.36 186.47,5.89 arc(186.14,5.67) 185.75,5.59 131.48,5.59 arc(131.09,5.67) 130.76,5.89 v1(130.49,6.16) ; v1(123.99,10.66) 123.99,11.15 ; 123.99,11.15 123.99,13.18 ; 123.99,11.15 arc(124.29,11.86) 125,12.16 ; v1(127.49,9.16) 127.49,11.15 arc(127.19,11.86) 126.47,12.16 125,12.16 ; 103.91,32.07 v1(103.11,32.07) 103.11,31.27 ; 103.91,32.07 arc(103.34,31.84) 103.11,31.27 ; 125,12.16 arc(124.29,12.46) 123.99,13.18
  Bottom w0.254: v1(127.49,9.16) 128.57,9.16 arc(128.96,9.24) 129.29,9.46 129.74,9.92 arc(130.07,10.14) 130.46,10.22 130.85,10.22 arc(131.24,10.14) 131.57,9.92 131.62,9.88 arc(131.84,9.55) 131.91,9.16 131.91,8.01 arc(131.84,7.62) 131.62,7.29 v1(130.49,6.16) ; v1(9.49,98.41) 9.49,97.84 arc(9.53,97.65) 9.64,97.48 10.77,96.35 arc(10.93,96.24) 11.13,96.2 22.47,96.2 arc(22.66,96.24) 22.83,96.35 23.7,97.22 arc(23.86,97.33) 24.06,97.37 26.04,97.37 arc(26.24,97.33) 26.4,97.22 27.27,96.35 arc(27.44,96.24) 27.63,96.2 39.56,96.2 arc(39.76,96.24) 39.92,96.35 v1(42.49,98.91)
  Bottom w0.508: 84.26,99.66 86.29,99.66 ; 84.26,99.66 v1(82.74,99.66) ; 84.26,99.66 arc(84.98,99.36) 85.28,98.65 ; 86.29,99.66 v1(103.49,99.66) 104.22,98.93 arc(104.55,98.71) 104.94,98.63 111.03,98.63 arc(111.42,98.71) 111.75,98.93 112.19,99.36 arc(112.52,99.59) 112.91,99.66 117,99.66 arc(117.39,99.59) 117.72,99.36 118.12,98.96 arc(118.45,98.74) 118.84,98.66 145.02,98.66 arc(145.41,98.59) 145.74,98.36 145.98,98.12 arc(146.31,97.9) 146.7,97.82 148.96,97.82 arc(149.35,97.9) 149.67,98.12 149.92,98.36 arc(150.25,98.59) 150.64,98.66 v1(160.74,98.66) ; 86.29,99.66 arc(85.57,99.36) 85.28,98.65 ; v1(79.99,96.91) 76.26,96.91 arc(76.07,96.87) 75.9,96.76 73.88,94.75 arc(73.72,94.64) 73.53,94.6 72.56,94.6 arc(72.36,94.64) 72.2,94.75 68.9,98.05 arc(68.74,98.16) 68.54,98.19 50.45,98.19 arc(50.26,98.23) 50.09,98.34 49.14,99.29 arc(48.98,99.4) 48.78,99.44 43.23,99.44 arc(43.03,99.4) 42.87,99.29 v1(42.49,98.91) ; v1(88.49,79.91) 87.82,80.58 arc(87.6,80.91) 87.53,81.3 87.53,93.42 arc(87.45,93.81) 87.23,94.14 85.57,95.8 arc(85.35,96.13) 85.28,96.52 85.28,98.65 ; v1(99.99,34.16) 101.93,32.22 arc(102.09,32.11) 102.29,32.07 v1(103.11,32.07) ; v1(184.24,96.66) 175.8,96.66 arc(175.51,96.72) 175.26,96.89 174.21,97.94 arc(173.96,98.1) 173.67,98.16 v1(167.88,98.16) ; v1(228.74,99.41) 228.74,99.69 arc(228.8,99.99) 228.96,100.23 232.02,103.29 arc(232.27,103.46) 232.56,103.52 233.43,103.52 arc(233.53,103.53) 233.61,103.59 233.72,103.7 arc(233.81,103.75) 233.9,103.77 246.04,103.77 arc(246.33,103.72) 246.57,103.55 247.13,102.99 arc(247.38,102.83) 247.67,102.77 247.83,102.77 arc(248.12,102.83) 248.37,102.99 248.42,103.05 arc(248.67,103.21) 248.96,103.27 260.07,103.27 arc(260.36,103.21) 260.6,103.05 261.76,101.89 arc(261.93,101.64) 261.99,101.35 v1(261.99,99.66) ; v1(187.74,100.16) 187.82,100.08 arc(188.07,99.91) 188.36,99.85 216.67,99.85 arc(216.96,99.91) 217.21,100.08 217.41,100.28 arc(217.66,100.45) 217.95,100.51 218.04,100.51 arc(218.33,100.45) 218.58,100.28 219.3,99.56 arc(219.55,99.39) 219.84,99.33 225.9,99.33 arc(226.19,99.39) 226.44,99.56 227.01,100.13 arc(227.18,100.38) 227.24,100.67 v1(227.24,100.91)
